# Altium PCB PCB1.PcbDoc (part 2 of 6)
Units mm, origin at the board's own origin, x right, y up, seen from the top; angles counter-clockwise.
Board outline 298.25 x 690.26 mm, 2 copper layers (Top Layer, Bottom Layer); 51 components, 44 nets, 196 pads, 2408 vias.
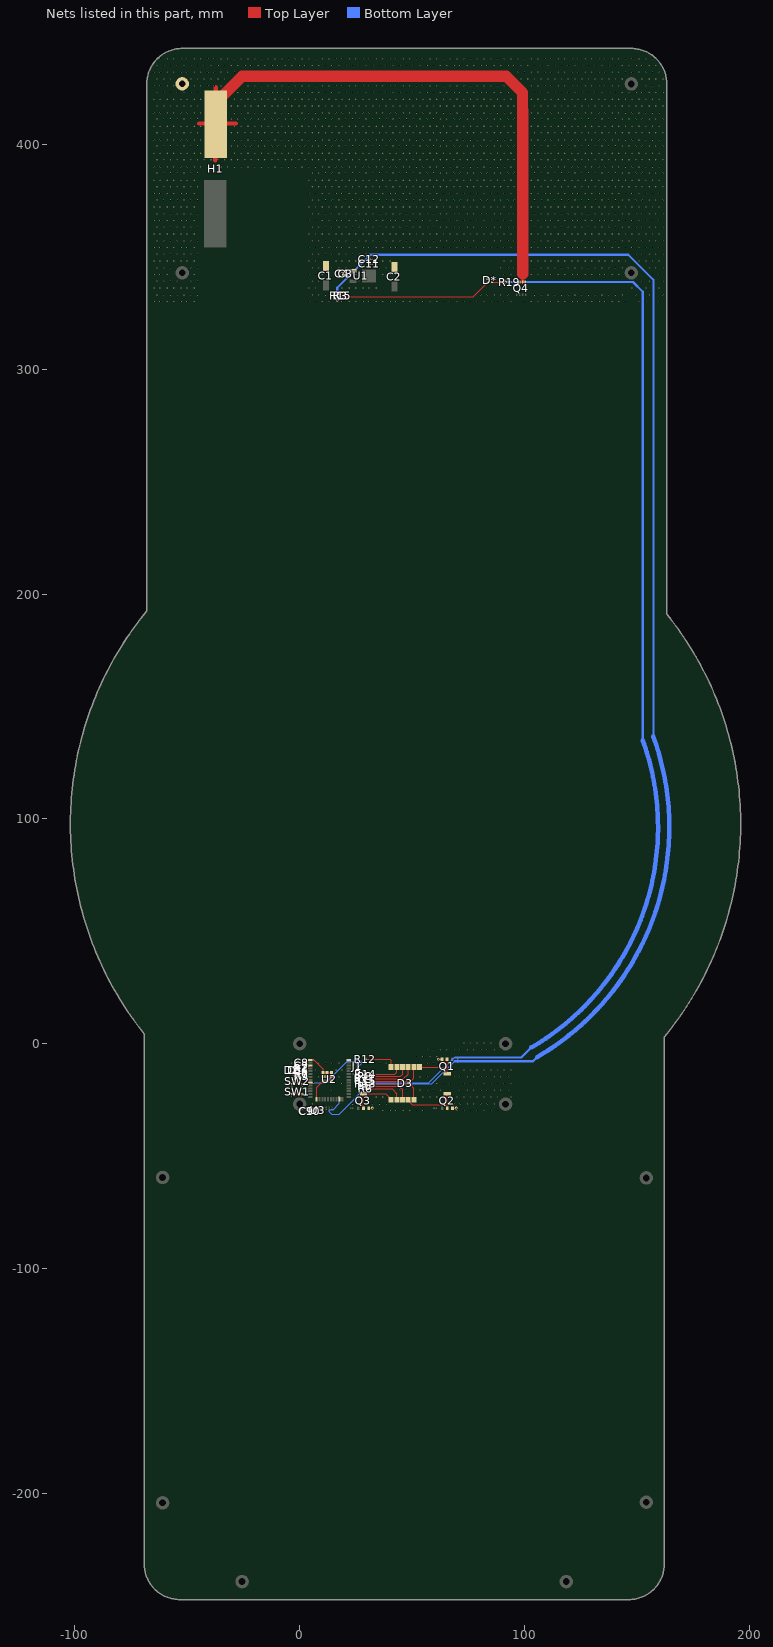
[diagram p2: the nets of this part, all layers, seen from the top]

## Via types
v1: diameter 0.6, hole 0.3, Top Layer to Bottom Layer, tented both sides, 2403 vias
v2: diameter 1.27, hole 0.711, Top Layer to Bottom Layer, tented both sides, 5 vias

## Nets (pads, with @x,y where several pads share a name; then routed paths per layer and width w, separated by ;. In a path a pad name is that pad's centre, name@x,y a point inside that pad or via, vN(x,y) a via of type N, cw(c..) or ccw(c..) an arc to the next point about the centre after c; other vN are vias at no path point)
GND: C1.2 C2.2 C3.1 C4.1 C5.2 C6.2 C7.2 C8.2 C9.2 C10.2 C11.1 C12.1 D1.2 D2.2 D*.1 H1.1 J1.4 pad.@-52.241,427.135 Q1.3 Q2.3 Q3.3 Q4.1 Q4.2 Q4.3 R3.1 SW1.1 SW2.1 U1.1 U2.1 U2.15 U2.38 U2.39 U3.4 U3.5 U3.6 U3.7 | length 439.1
  Top Layer w0.25: D2.2@-3.267,-10.783 v1(-3.267,-9.767) ; v1(-3.238,-23.382) SW1.1@-3.238,-22.366 ; v1(-3.238,-18.892) SW2.1@-3.238,-17.876 ; D1.2@-1.632,-10.783 v1(-1.632,-9.767) ; v1(-0.671,-8.539) C8.2@0.345,-8.539 ; v1(-0.646,-12.246) C6.2@0.37,-12.246 ; v1(-0.646,-9.706) C7.2@0.37,-9.706 ; v1(1.262,-23.382) SW1.1@1.262,-22.366 ; v1(1.262,-18.892) SW2.1@1.262,-17.876 ; C9.2@3.217,-29.606 v1(3.217,-28.59) ; C10.2@4.398,-29.606 v1(4.398,-28.59) ; U2.1@5.163,-7.166 v1(6.179,-7.166) 10.418,-11.405 U2.39@10.418,-12.831 ; U3.7@6.028,-29.856 U3.6@6.028,-29.206 U3.5@6.028,-28.556 U3.4@10.128,-28.556 ; U2.15@7.538,-24.676 7.538,-19.381 U2.39@10.418,-16.501 U2.39@12.253,-16.501 U2.39@14.088,-16.501 U2.39@14.088,-14.666 U2.39@12.253,-14.666 U2.39@10.418,-14.666 U2.39@10.418,-12.831 ; U2.39@14.088,-12.831 U2.39@12.253,-12.831 U2.39@10.418,-12.831 ; R3.1@18.244,333.321 v1(18.244,334.277) ; C4.1@19.006,343.091 C4.1@19.006,343.151 ; v1(19.006,344.107) C4.1@19.006,343.151 ; C5.2@19.768,333.321 v1(19.768,334.277) ; C3.1@20.53,343.091 C3.1@20.53,343.151 ; v1(20.53,344.107) C3.1@20.53,343.151 ; U1.1@23.723,343.93 23.023,343.93 22.244,343.151 C3.1@20.53,343.151 ; J1.4@25.715,-11.294 v1(26.731,-11.294) ; C11.1@31.579,347.106 v1(32.595,347.106) ; C12.1@31.579,349.138 v1(32.595,349.138) ; v2(61.678,-6.921) Q1.3@63.315,-6.921 ; C4.1@19.006,343.151 C3.1@20.53,343.151
  Top Layer w0.3: C1.2@11.64,346.047 C1.2@12.84,344.58 ; U1.1@22.373,344.58 U1.1@23.723,343.93 ; Q3.3@30.309,-28.688 Q3.3@30.704,-28.688 30.729,-28.663 v2(32.341,-28.663) ; Q2.3@67.672,-28.663 v2(69.679,-28.663)
  Top Layer w0.8: Q4.3@97.952,338.932 Q4.2@99.222,338.932 ; 99.222,415.378 Q4.2@99.222,338.932 ; Q4.1@100.492,338.932 Q4.2@99.222,338.932
  Top Layer w1.8: H1.1@-37.319,409.17 -37.319,418.73 -37.319,419.17 -33.219,423.27 H1.1@-32.779,423.27
  Top Layer w2: -44.621,409.487 -28.386,409.487 ; -37.636,393.231 H1.1@-37.636,409.466 ; H1.1@-37.319,409.29 -37.319,425.525
  Top Layer w5: H1.1@-37.319,418.73 -32.779,423.27 -25.568,430.48 91.993,430.48 99.222,423.251 99.222,415.378 ; 99.296,342.626 99.296,415.378
  other v1: 37.039,-29.692 40.039,-29.692 43.039,-29.692 46.039,-29.692 49.039,-29.692 52.039,-29.692 55.039,-29.692 70.039,-29.692 73.039,-29.692 76.039,-29.692 79.039,-29.692 82.039,-29.692 85.039,-29.692 88.039,-29.692 5.539,-26.692 23.539,-26.692 26.539,-26.692 29.539,-26.692 32.539,-26.692 35.539,-26.692 38.539,-26.692 68.539,-26.692 71.539,-26.692 74.539,-26.692 77.539,-26.692 80.539,-26.692 83.539,-26.692 86.539,-26.692 31.039,-23.692 34.039,-23.692 37.039,-23.692 55.039,-23.692 58.039,-23.692 61.039,-23.692 70.039,-23.692 73.039,-23.692 76.039,-23.692 79.039,-23.692 82.039,-23.692 85.039,-23.692 88.039,-23.692 94.039,-23.692 14.539,-20.692 44.539,-20.692 47.539,-20.692 53.539,-20.692 56.539,-20.692 59.539,-20.692 62.539,-20.692 71.539,-20.692 74.539,-20.692 77.539,-20.692 80.539,-20.692 83.539,-20.692 86.539,-20.692 89.539,-20.692 92.539,-20.692 -1.961,-17.692 19.039,-17.692 61.039,-17.692 64.039,-17.692 67.039,-17.692 73.039,-17.692 76.039,-17.692 79.039,-17.692 82.039,-17.692 85.039,-17.692 88.039,-17.692 91.039,-17.692 94.039,-17.692 8.539,-14.692 17.539,-14.692 53.539,-14.692 56.539,-14.692 68.539,-14.692 71.539,-14.692 74.539,-14.692 77.539,-14.692 80.539,-14.692 83.539,-14.692 86.539,-14.692 89.539,-14.692 92.539,-14.692 7.039,-11.692 16.039,-11.692 19.039,-11.692 67.039,-11.692 73.039,-11.692 76.039,-11.692 79.039,-11.692 82.039,-11.692 85.039,-11.692 88.039,-11.692 91.039,-11.692 94.039,-11.692 -3.461,-8.692 8.539,-8.692 11.539,-8.692 14.539,-8.692 17.539,-8.692 32.539,-8.692 35.539,-8.692 38.539,-8.692 56.539,-8.692 59.539,-8.692 62.539,-8.692 52.039,-5.692 55.039,-5.692 58.039,-5.692 61.039,-5.692 56.539,-2.692 59.539,-2.692 62.539,-2.692 65.539,-2.692 68.539,-2.692 71.539,-2.692 74.539,-2.692 77.539,-2.692 80.539,-2.692 83.539,-2.692 86.539,-2.692 73.039,0.308 76.039,0.308 79.039,0.308 82.039,0.308 85.039,0.308 -64.961,330.308 -61.961,330.308 -58.961,330.308 -55.961,330.308 -52.961,330.308 -49.961,330.308 -46.961,330.308 4.039,330.308 7.039,330.308 10.039,330.308 13.039,330.308 19.039,330.308 22.039,330.308 25.039,330.308 28.039,330.308 31.039,330.308 34.039,330.308 37.039,330.308 40.039,330.308 43.039,330.308 46.039,330.308 49.039,330.308 52.039,330.308 55.039,330.308 58.039,330.308 61.039,330.308 64.039,330.308 67.039,330.308 70.039,330.308 73.039,330.308 76.039,330.308 79.039,330.308 82.039,330.308 85.039,330.308 88.039,330.308 91.039,330.308 94.039,330.308 100.039,330.308 103.039,330.308 106.039,330.308 109.039,330.308 112.039,330.308 115.039,330.308 118.039,330.308 121.039,330.308 124.039,330.308 127.039,330.308 130.039,330.308 133.039,330.308 136.039,330.308 139.039,330.308 142.039,330.308 145.039,330.308 151.039,330.308 154.039,330.308 160.039,330.308 -63.461,333.308 -60.461,333.308 -57.461,333.308 -54.461,333.308 -51.461,333.308 -48.461,333.308 -45.461,333.308 5.539,333.308 8.539,333.308 11.539,333.308 80.539,333.308 83.539,333.308 86.539,333.308 89.539,333.308 92.539,333.308 104.539,333.308 107.539,333.308 110.539,333.308 113.539,333.308 116.539,333.308 119.539,333.308 122.539,333.308 125.539,333.308 128.539,333.308 131.539,333.308 134.539,333.308 137.539,333.308 140.539,333.308 143.539,333.308 149.539,333.308 155.539,333.308 161.539,333.308 -64.961,336.308 -61.961,336.308 -58.961,336.308 -55.961,336.308 -52.961,336.308 -49.961,336.308 -46.961,336.308 4.039,336.308 7.039,336.308 19.039,336.308 22.039,336.308 25.039,336.308 28.039,336.308 31.039,336.308 34.039,336.308 148.039,336.308 154.039,336.308 160.039,336.308 -63.461,339.308 -60.461,339.308 -57.461,339.308 -54.461,339.308 -48.461,339.308 -45.461,339.308 5.539,339.308 8.539,339.308 26.539,339.308 152.539,339.308 155.539,339.308 161.539,339.308 -64.961,342.308 -61.961,342.308 -58.961,342.308 -46.961,342.308 4.039,342.308 7.039,342.308 10.039,342.308 13.039,342.308 16.039,342.308 25.039,342.308 37.039,342.308 40.039,342.308 43.039,342.308 91.039,342.308 94.039,342.308 103.039,342.308 106.039,342.308 109.039,342.308 112.039,342.308 115.039,342.308 118.039,342.308 121.039,342.308 124.039,342.308 127.039,342.308 130.039,342.308 133.039,342.308 136.039,342.308 139.039,342.308 142.039,342.308 157.039,342.308 160.039,342.308 -63.461,345.308 -60.461,345.308 -57.461,345.308 -48.461,345.308 -45.461,345.308 5.539,345.308 8.539,345.308 14.539,345.308 17.539,345.308 20.539,345.308 23.539,345.308 35.539,345.308 38.539,345.308 89.539,345.308 92.539,345.308 95.539,345.308 104.539,345.308 107.539,345.308 110.539,345.308 113.539,345.308 116.539,345.308 119.539,345.308 122.539,345.308 125.539,345.308 128.539,345.308 131.539,345.308 134.539,345.308 137.539,345.308 140.539,345.308 143.539,345.308 155.539,345.308 158.539,345.308 161.539,345.308 -64.961,348.308 -61.961,348.308 -58.961,348.308 -55.961,348.308 -52.961,348.308 -49.961,348.308 -46.961,348.308 4.039,348.308 7.039,348.308 16.039,348.308 19.039,348.308 22.039,348.308 25.039,348.308 34.039,348.308 37.039,348.308 40.039,348.308 91.039,348.308 94.039,348.308 103.039,348.308 106.039,348.308 109.039,348.308 112.039,348.308 115.039,348.308 118.039,348.308 121.039,348.308 124.039,348.308 127.039,348.308 130.039,348.308 133.039,348.308 136.039,348.308 139.039,348.308 142.039,348.308 145.039,348.308 151.039,348.308 154.039,348.308 157.039,348.308 160.039,348.308 -63.461,351.308 -60.461,351.308 -57.461,351.308 -54.461,351.308 -51.461,351.308 -48.461,351.308 -45.461,351.308 5.539,351.308 8.539,351.308 11.539,351.308 14.539,351.308 17.539,351.308 20.539,351.308 23.539,351.308 26.539,351.308 29.539,351.308 149.539,351.308 152.539,351.308 155.539,351.308 158.539,351.308 161.539,351.308 -64.961,354.308 -61.961,354.308 -58.961,354.308 -55.961,354.308 -52.961,354.308 -49.961,354.308 -46.961,354.308 4.039,354.308 7.039,354.308 10.039,354.308 13.039,354.308 16.039,354.308 19.039,354.308 22.039,354.308 25.039,354.308 28.039,354.308 31.039,354.308 34.039,354.308 37.039,354.308 40.039,354.308 43.039,354.308 46.039,354.308 49.039,354.308 52.039,354.308 55.039,354.308 58.039,354.308 61.039,354.308 64.039,354.308 67.039,354.308 70.039,354.308 73.039,354.308 76.039,354.308 79.039,354.308 82.039,354.308 85.039,354.308 88.039,354.308 91.039,354.308 94.039,354.308 103.039,354.308 106.039,354.308 109.039,354.308 112.039,354.308 115.039,354.308 118.039,354.308 121.039,354.308 124.039,354.308 127.039,354.308 130.039,354.308 133.039,354.308 136.039,354.308 139.039,354.308 142.039,354.308 145.039,354.308 148.039,354.308 151.039,354.308 154.039,354.308 157.039,354.308 160.039,354.308 -63.461,357.308 -60.461,357.308 -57.461,357.308 -54.461,357.308 -51.461,357.308 -48.461,357.308 -45.461,357.308 5.539,357.308 8.539,357.308 11.539,357.308 14.539,357.308 17.539,357.308 20.539,357.308 23.539,357.308 26.539,357.308 29.539,357.308 32.539,357.308 35.539,357.308 38.539,357.308 41.539,357.308 44.539,357.308 47.539,357.308 50.539,357.308 53.539,357.308 56.539,357.308 59.539,357.308 62.539,357.308 65.539,357.308 68.539,357.308 71.539,357.308 74.539,357.308 77.539,357.308 80.539,357.308 83.539,357.308 86.539,357.308 89.539,357.308 92.539,357.308 95.539,357.308 104.539,357.308 107.539,357.308 110.539,357.308 113.539,357.308 116.539,357.308 119.539,357.308 122.539,357.308 125.539,357.308 128.539,357.308 131.539,357.308 134.539,357.308 137.539,357.308 140.539,357.308 143.539,357.308 146.539,357.308 149.539,357.308 152.539,357.308 155.539,357.308 158.539,357.308 161.539,357.308 -64.961,360.308 -61.961,360.308 -58.961,360.308 -55.961,360.308 -52.961,360.308 -49.961,360.308 -46.961,360.308 4.039,360.308 7.039,360.308 10.039,360.308 13.039,360.308 16.039,360.308 19.039,360.308 22.039,360.308 25.039,360.308 28.039,360.308 31.039,360.308 34.039,360.308 37.039,360.308 40.039,360.308 43.039,360.308 46.039,360.308 49.039,360.308 52.039,360.308 55.039,360.308 58.039,360.308 61.039,360.308 64.039,360.308 67.039,360.308 70.039,360.308 73.039,360.308 76.039,360.308 79.039,360.308 82.039,360.308 85.039,360.308 88.039,360.308 91.039,360.308 94.039,360.308 103.039,360.308 106.039,360.308 109.039,360.308 112.039,360.308 115.039,360.308 118.039,360.308 121.039,360.308 124.039,360.308 127.039,360.308 130.039,360.308 133.039,360.308 136.039,360.308 139.039,360.308 142.039,360.308 145.039,360.308 148.039,360.308 151.039,360.308 154.039,360.308 157.039,360.308 160.039,360.308 -63.461,363.308 -60.461,363.308 -57.461,363.308 -54.461,363.308 -51.461,363.308 -48.461,363.308 -45.461,363.308 5.539,363.308 8.539,363.308 11.539,363.308 14.539,363.308 17.539,363.308 20.539,363.308 23.539,363.308 26.539,363.308 29.539,363.308 32.539,363.308 35.539,363.308 38.539,363.308 41.539,363.308 44.539,363.308 47.539,363.308 50.539,363.308 53.539,363.308 56.539,363.308 59.539,363.308 62.539,363.308 65.539,363.308 68.539,363.308 71.539,363.308 74.539,363.308 77.539,363.308 80.539,363.308 83.539,363.308 86.539,363.308 89.539,363.308 92.539,363.308 95.539,363.308 104.539,363.308 107.539,363.308 110.539,363.308 113.539,363.308 116.539,363.308 119.539,363.308 122.539,363.308 125.539,363.308 128.539,363.308 131.539,363.308 134.539,363.308 137.539,363.308 140.539,363.308 143.539,363.308 146.539,363.308 149.539,363.308 152.539,363.308 155.539,363.308 158.539,363.308 161.539,363.308 -64.961,366.308 -61.961,366.308 -58.961,366.308 -55.961,366.308 -52.961,366.308 -49.961,366.308 -46.961,366.308 4.039,366.308 7.039,366.308 10.039,366.308 13.039,366.308 16.039,366.308 19.039,366.308 22.039,366.308 25.039,366.308 28.039,366.308 31.039,366.308 34.039,366.308 37.039,366.308 40.039,366.308 43.039,366.308 46.039,366.308 49.039,366.308 52.039,366.308 55.039,366.308 58.039,366.308 61.039,366.308 64.039,366.308 67.039,366.308 70.039,366.308 73.039,366.308 76.039,366.308 79.039,366.308 82.039,366.308 85.039,366.308 88.039,366.308 91.039,366.308 94.039,366.308 103.039,366.308 106.039,366.308 109.039,366.308 112.039,366.308 115.039,366.308 118.039,366.308 121.039,366.308 124.039,366.308 127.039,366.308 130.039,366.308 133.039,366.308 136.039,366.308 139.039,366.308 142.039,366.308 145.039,366.308 148.039,366.308 151.039,366.308 154.039,366.308 157.039,366.308 160.039,366.308 -63.461,369.308 -60.461,369.308 -57.461,369.308 -54.461,369.308 -51.461,369.308 -48.461,369.308 -45.461,369.308 5.539,369.308 8.539,369.308 11.539,369.308 14.539,369.308 17.539,369.308 20.539,369.308 23.539,369.308 26.539,369.308 29.539,369.308 32.539,369.308 35.539,369.308 38.539,369.308 41.539,369.308 44.539,369.308 47.539,369.308 50.539,369.308 53.539,369.308 56.539,369.308 59.539,369.308 62.539,369.308 65.539,369.308 68.539,369.308 71.539,369.308 74.539,369.308 77.539,369.308 80.539,369.308 83.539,369.308 86.539,369.308 89.539,369.308 92.539,369.308 95.539,369.308 104.539,369.308 107.539,369.308 110.539,369.308 113.539,369.308 116.539,369.308 119.539,369.308 122.539,369.308 125.539,369.308 128.539,369.308 131.539,369.308 134.539,369.308 137.539,369.308 140.539,369.308 143.539,369.308 146.539,369.308 149.539,369.308 152.539,369.308 155.539,369.308 158.539,369.308 161.539,369.308 -64.961,372.308 -61.961,372.308 -58.961,372.308 -55.961,372.308 -52.961,372.308 -49.961,372.308 -46.961,372.308 4.039,372.308 7.039,372.308 10.039,372.308 13.039,372.308 16.039,372.308 19.039,372.308 22.039,372.308 25.039,372.308 28.039,372.308 31.039,372.308 34.039,372.308 37.039,372.308 40.039,372.308 43.039,372.308 46.039,372.308 49.039,372.308 52.039,372.308 55.039,372.308 58.039,372.308 61.039,372.308 64.039,372.308 67.039,372.308 70.039,372.308 73.039,372.308 76.039,372.308 79.039,372.308 82.039,372.308 85.039,372.308 88.039,372.308 91.039,372.308 94.039,372.308 103.039,372.308 106.039,372.308 109.039,372.308 112.039,372.308 115.039,372.308 118.039,372.308 121.039,372.308 124.039,372.308 127.039,372.308 130.039,372.308 133.039,372.308 136.039,372.308 139.039,372.308 142.039,372.308 145.039,372.308 148.039,372.308 151.039,372.308 154.039,372.308 157.039,372.308 160.039,372.308 -63.461,375.308 -60.461,375.308 -57.461,375.308 -54.461,375.308 -51.461,375.308 -48.461,375.308 -45.461,375.308 5.539,375.308 8.539,375.308 11.539,375.308 14.539,375.308 17.539,375.308 20.539,375.308 23.539,375.308 26.539,375.308 29.539,375.308 32.539,375.308 35.539,375.308 38.539,375.308 41.539,375.308 44.539,375.308 47.539,375.308 50.539,375.308 53.539,375.308 56.539,375.308 59.539,375.308 62.539,375.308 65.539,375.308 68.539,375.308 71.539,375.308 74.539,375.308 77.539,375.308 80.539,375.308 83.539,375.308 86.539,375.308 89.539,375.308 92.539,375.308 95.539,375.308 104.539,375.308 107.539,375.308 110.539,375.308 113.539,375.308 116.539,375.308 119.539,375.308 122.539,375.308 125.539,375.308 128.539,375.308 131.539,375.308 134.539,375.308 137.539,375.308 140.539,375.308 143.539,375.308 146.539,375.308 149.539,375.308 152.539,375.308 155.539,375.308 158.539,375.308 161.539,375.308 -64.961,378.308 -61.961,378.308 -58.961,378.308 -55.961,378.308 -52.961,378.308 -49.961,378.308 -46.961,378.308 4.039,378.308 7.039,378.308 10.039,378.308 13.039,378.308 16.039,378.308 19.039,378.308 22.039,378.308 25.039,378.308 28.039,378.308 31.039,378.308 34.039,378.308 37.039,378.308 40.039,378.308 43.039,378.308 46.039,378.308 49.039,378.308 52.039,378.308 55.039,378.308 58.039,378.308 61.039,378.308 64.039,378.308 67.039,378.308 70.039,378.308 73.039,378.308 76.039,378.308 79.039,378.308 82.039,378.308 85.039,378.308 88.039,378.308 91.039,378.308 94.039,378.308 103.039,378.308 106.039,378.308 109.039,378.308 112.039,378.308 115.039,378.308 118.039,378.308 121.039,378.308 124.039,378.308 127.039,378.308 130.039,378.308 133.039,378.308 136.039,378.308 139.039,378.308 142.039,378.308 145.039,378.308 148.039,378.308 151.039,378.308 154.039,378.308 157.039,378.308 160.039,378.308 -63.461,381.308 -60.461,381.308 -57.461,381.308 -54.461,381.308 -51.461,381.308 -48.461,381.308 -45.461,381.308 5.539,381.308 8.539,381.308 11.539,381.308 14.539,381.308 17.539,381.308 20.539,381.308 23.539,381.308 26.539,381.308 29.539,381.308 32.539,381.308 35.539,381.308 38.539,381.308 41.539,381.308 44.539,381.308 47.539,381.308 50.539,381.308 53.539,381.308 56.539,381.308 59.539,381.308 62.539,381.308 65.539,381.308 68.539,381.308 71.539,381.308 74.539,381.308 77.539,381.308 80.539,381.308 83.539,381.308 86.539,381.308 89.539,381.308 92.539,381.308 95.539,381.308 104.539,381.308 107.539,381.308 110.539,381.308 113.539,381.308 116.539,381.308 119.539,381.308 122.539,381.308 125.539,381.308 128.539,381.308 131.539,381.308 134.539,381.308 137.539,381.308 140.539,381.308 143.539,381.308 146.539,381.308 149.539,381.308 152.539,381.308 155.539,381.308 158.539,381.308 161.539,381.308 -64.961,384.308 -61.961,384.308 -58.961,384.308 -55.961,384.308 -52.961,384.308 -49.961,384.308 -46.961,384.308 4.039,384.308 7.039,384.308 10.039,384.308 13.039,384.308 16.039,384.308 19.039,384.308 22.039,384.308 25.039,384.308 28.039,384.308 31.039,384.308 34.039,384.308 37.039,384.308 40.039,384.308 43.039,384.308 46.039,384.308 49.039,384.308 52.039,384.308 55.039,384.308 58.039,384.308 61.039,384.308 64.039,384.308 67.039,384.308 70.039,384.308 73.039,384.308 76.039,384.308 79.039,384.308 82.039,384.308 85.039,384.308 88.039,384.308 91.039,384.308 94.039,384.308 103.039,384.308 106.039,384.308 109.039,384.308 112.039,384.308 115.039,384.308 118.039,384.308 121.039,384.308 124.039,384.308 127.039,384.308 130.039,384.308 133.039,384.308 136.039,384.308 139.039,384.308 142.039,384.308 145.039,384.308 148.039,384.308 151.039,384.308 154.039,384.308 157.039,384.308 160.039,384.308 -63.461,387.308 -60.461,387.308 -57.461,387.308 -54.461,387.308 -51.461,387.308 -48.461,387.308 -45.461,387.308 5.539,387.308 8.539,387.308 11.539,387.308 14.539,387.308 17.539,387.308 20.539,387.308 23.539,387.308 26.539,387.308 29.539,387.308 32.539,387.308 35.539,387.308 38.539,387.308 41.539,387.308 44.539,387.308 47.539,387.308 50.539,387.308 53.539,387.308 56.539,387.308 59.539,387.308 62.539,387.308 65.539,387.308 68.539,387.308 71.539,387.308 74.539,387.308 77.539,387.308 80.539,387.308 83.539,387.308 86.539,387.308 89.539,387.308 92.539,387.308 95.539,387.308 104.539,387.308 107.539,387.308 110.539,387.308 113.539,387.308 116.539,387.308 119.539,387.308 122.539,387.308 125.539,387.308 128.539,387.308 131.539,387.308 134.539,387.308 137.539,387.308 140.539,387.308 143.539,387.308 146.539,387.308 149.539,387.308 152.539,387.308 155.539,387.308 158.539,387.308 161.539,387.308 -64.961,390.308 -61.961,390.308 -58.961,390.308 -55.961,390.308 -52.961,390.308 -49.961,390.308 -46.961,390.308 -43.961,390.308 -40.961,390.308 -37.961,390.308 -34.961,390.308 -31.961,390.308 -28.961,390.308 -25.961,390.308 -22.961,390.308 -19.961,390.308 -16.961,390.308 -13.961,390.308 -10.961,390.308 -7.961,390.308 -4.961,390.308 -1.961,390.308 1.039,390.308 4.039,390.308 7.039,390.308 10.039,390.308 13.039,390.308 16.039,390.308 19.039,390.308 22.039,390.308 25.039,390.308 28.039,390.308 31.039,390.308 34.039,390.308 37.039,390.308 40.039,390.308 43.039,390.308 46.039,390.308 49.039,390.308 52.039,390.308 55.039,390.308 58.039,390.308 61.039,390.308 64.039,390.308 67.039,390.308 70.039,390.308 73.039,390.308 76.039,390.308 79.039,390.308 82.039,390.308 85.039,390.308 88.039,390.308 91.039,390.308 94.039,390.308 103.039,390.308 106.039,390.308 109.039,390.308 112.039,390.308 115.039,390.308 118.039,390.308 121.039,390.308 124.039,390.308 127.039,390.308 130.039,390.308 133.039,390.308 136.039,390.308 139.039,390.308 142.039,390.308 145.039,390.308 148.039,390.308 151.039,390.308 154.039,390.308 157.039,390.308 160.039,390.308 -63.461,393.308 -60.461,393.308 -57.461,393.308 -54.461,393.308 -51.461,393.308 -48.461,393.308 -45.461,393.308 -42.461,393.308 -39.461,393.308 -36.461,393.308 -33.461,393.308 -30.461,393.308 -27.461,393.308 -24.461,393.308 -21.461,393.308 -18.461,393.308 -15.461,393.308 -12.461,393.308 -9.461,393.308 -6.461,393.308 -3.461,393.308 -0.461,393.308 2.539,393.308 5.539,393.308 8.539,393.308 11.539,393.308 14.539,393.308 17.539,393.308 20.539,393.308 23.539,393.308 26.539,393.308 29.539,393.308 32.539,393.308 35.539,393.308 38.539,393.308 41.539,393.308 44.539,393.308 47.539,393.308 50.539,393.308 53.539,393.308 56.539,393.308 59.539,393.308 62.539,393.308 65.539,393.308 68.539,393.308 71.539,393.308 74.539,393.308 77.539,393.308 80.539,393.308 83.539,393.308 86.539,393.308 89.539,393.308 92.539,393.308 95.539,393.308 104.539,393.308 107.539,393.308 110.539,393.308 113.539,393.308 116.539,393.308 119.539,393.308 122.539,393.308 125.539,393.308 128.539,393.308 131.539,393.308 134.539,393.308 137.539,393.308 140.539,393.308 143.539,393.308 146.539,393.308 149.539,393.308 152.539,393.308 155.539,393.308 158.539,393.308 161.539,393.308 -64.961,396.308 -61.961,396.308 -58.961,396.308 -55.961,396.308 -52.961,396.308 -49.961,396.308 -46.961,396.308 -43.961,396.308 -28.961,396.308 -25.961,396.308 -22.961,396.308 -19.961,396.308 -16.961,396.308 -13.961,396.308 -10.961,396.308 -7.961,396.308 -4.961,396.308 -1.961,396.308 1.039,396.308 4.039,396.308 7.039,396.308 10.039,396.308 13.039,396.308 16.039,396.308 19.039,396.308 22.039,396.308 25.039,396.308 28.039,396.308 31.039,396.308 34.039,396.308 37.039,396.308 40.039,396.308 43.039,396.308 46.039,396.308 49.039,396.308 52.039,396.308 55.039,396.308 58.039,396.308 61.039,396.308 64.039,396.308 67.039,396.308 70.039,396.308 73.039,396.308 76.039,396.308 79.039,396.308 82.039,396.308 85.039,396.308 88.039,396.308 91.039,396.308 94.039,396.308 103.039,396.308 106.039,396.308 109.039,396.308 112.039,396.308 115.039,396.308 118.039,396.308 121.039,396.308 124.039,396.308 127.039,396.308 130.039,396.308 133.039,396.308 136.039,396.308 139.039,396.308 142.039,396.308 145.039,396.308 148.039,396.308 151.039,396.308 154.039,396.308 157.039,396.308 160.039,396.308 -63.461,399.308 -60.461,399.308 -57.461,399.308 -54.461,399.308 -51.461,399.308 -48.461,399.308 -45.461,399.308 -30.461,399.308 -27.461,399.308 -24.461,399.308 -21.461,399.308 -18.461,399.308 -15.461,399.308 -12.461,399.308 -9.461,399.308 -6.461,399.308 -3.461,399.308 -0.461,399.308 2.539,399.308 5.539,399.308 8.539,399.308 11.539,399.308 14.539,399.308 17.539,399.308 20.539,399.308 23.539,399.308 26.539,399.308 29.539,399.308 32.539,399.308 35.539,399.308 38.539,399.308 41.539,399.308 44.539,399.308 47.539,399.308 50.539,399.308 53.539,399.308 56.539,399.308 59.539,399.308 62.539,399.308 65.539,399.308 68.539,399.308 71.539,399.308 74.539,399.308 77.539,399.308 80.539,399.308 83.539,399.308 86.539,399.308 89.539,399.308 92.539,399.308 95.539,399.308 104.539,399.308 107.539,399.308 110.539,399.308 113.539,399.308 116.539,399.308 119.539,399.308 122.539,399.308 125.539,399.308 128.539,399.308 131.539,399.308 134.539,399.308 137.539,399.308 140.539,399.308 143.539,399.308 146.539,399.308 149.539,399.308 152.539,399.308 155.539,399.308 158.539,399.308 161.539,399.308 -64.961,402.308 -61.961,402.308 -58.961,402.308 -55.961,402.308 -52.961,402.308 -49.961,402.308 -46.961,402.308 -43.961,402.308 -28.961,402.308 -25.961,402.308 -22.961,402.308 -19.961,402.308 -16.961,402.308 -13.961,402.308 -10.961,402.308 -7.961,402.308 -4.961,402.308 -1.961,402.308 1.039,402.308 4.039,402.308 7.039,402.308 10.039,402.308 13.039,402.308 16.039,402.308 19.039,402.308 22.039,402.308 25.039,402.308 28.039,402.308 31.039,402.308 34.039,402.308 37.039,402.308 40.039,402.308 43.039,402.308 46.039,402.308 49.039,402.308 52.039,402.308 55.039,402.308 58.039,402.308 61.039,402.308 64.039,402.308 67.039,402.308 70.039,402.308 73.039,402.308 76.039,402.308 79.039,402.308 82.039,402.308 85.039,402.308 88.039,402.308 91.039,402.308 94.039,402.308 103.039,402.308 106.039,402.308 109.039,402.308 112.039,402.308 115.039,402.308 118.039,402.308 121.039,402.308 124.039,402.308 127.039,402.308 130.039,402.308 133.039,402.308 136.039,402.308 139.039,402.308 142.039,402.308 145.039,402.308 148.039,402.308 151.039,402.308 154.039,402.308 157.039,402.308 160.039,402.308 -63.461,405.308 -60.461,405.308 -57.461,405.308 -54.461,405.308 -51.461,405.308 -48.461,405.308 -45.461,405.308 -30.461,405.308 -27.461,405.308 -24.461,405.308 -21.461,405.308 -18.461,405.308 -15.461,405.308 -12.461,405.308 -9.461,405.308 -6.461,405.308 -3.461,405.308 -0.461,405.308 2.539,405.308 5.539,405.308 8.539,405.308 11.539,405.308 14.539,405.308 17.539,405.308 20.539,405.308 23.539,405.308 26.539,405.308 29.539,405.308 32.539,405.308 35.539,405.308 38.539,405.308 41.539,405.308 44.539,405.308 47.539,405.308 50.539,405.308 53.539,405.308 56.539,405.308 59.539,405.308 62.539,405.308 65.539,405.308 68.539,405.308 71.539,405.308 74.539,405.308 77.539,405.308 80.539,405.308 83.539,405.308 86.539,405.308 89.539,405.308 92.539,405.308 95.539,405.308 104.539,405.308 107.539,405.308 110.539,405.308 113.539,405.308 116.539,405.308 119.539,405.308 122.539,405.308 125.539,405.308 128.539,405.308 131.539,405.308 134.539,405.308 137.539,405.308 140.539,405.308 143.539,405.308 146.539,405.308 149.539,405.308 152.539,405.308 155.539,405.308 158.539,405.308 161.539,405.308 -64.961,408.308 -61.961,408.308 -58.961,408.308 -55.961,408.308 -52.961,408.308 -49.961,408.308 -46.961,408.308 -43.961,408.308 -28.961,408.308 -25.961,408.308 -22.961,408.308 -19.961,408.308 -16.961,408.308 -13.961,408.308 -10.961,408.308 -7.961,408.308 -4.961,408.308 -1.961,408.308 1.039,408.308 4.039,408.308 7.039,408.308 10.039,408.308 13.039,408.308 16.039,408.308 19.039,408.308 22.039,408.308 25.039,408.308 28.039,408.308 31.039,408.308 34.039,408.308 37.039,408.308 40.039,408.308 43.039,408.308 46.039,408.308 49.039,408.308 52.039,408.308 55.039,408.308 58.039,408.308 61.039,408.308 64.039,408.308 67.039,408.308 70.039,408.308 73.039,408.308 76.039,408.308 79.039,408.308 82.039,408.308 85.039,408.308 88.039,408.308 91.039,408.308 94.039,408.308 103.039,408.308 106.039,408.308 109.039,408.308 112.039,408.308 115.039,408.308 118.039,408.308 121.039,408.308 124.039,408.308 127.039,408.308 130.039,408.308 133.039,408.308 136.039,408.308 139.039,408.308 142.039,408.308 145.039,408.308 148.039,408.308 151.039,408.308 154.039,408.308 157.039,408.308 160.039,408.308 -63.461,411.308 -60.461,411.308 -57.461,411.308 -54.461,411.308 -51.461,411.308 -48.461,411.308 -45.461,411.308 -30.461,411.308 -27.461,411.308 -24.461,411.308 -21.461,411.308 -18.461,411.308 -15.461,411.308 -12.461,411.308 -9.461,411.308 -6.461,411.308 -3.461,411.308 -0.461,411.308 2.539,411.308 5.539,411.308 8.539,411.308 11.539,411.308 14.539,411.308 17.539,411.308 20.539,411.308 23.539,411.308 26.539,411.308 29.539,411.308 32.539,411.308 35.539,411.308 38.539,411.308 41.539,411.308 44.539,411.308 47.539,411.308 50.539,411.308 53.539,411.308 56.539,411.308 59.539,411.308 62.539,411.308 65.539,411.308 68.539,411.308 71.539,411.308 74.539,411.308 77.539,411.308 80.539,411.308 83.539,411.308 86.539,411.308 89.539,411.308 92.539,411.308 95.539,411.308 104.539,411.308 107.539,411.308 110.539,411.308 113.539,411.308 116.539,411.308 119.539,411.308 122.539,411.308 125.539,411.308 128.539,411.308 131.539,411.308 134.539,411.308 137.539,411.308 140.539,411.308 143.539,411.308 146.539,411.308 149.539,411.308 152.539,411.308 155.539,411.308 158.539,411.308 161.539,411.308 -64.961,414.308 -61.961,414.308 -58.961,414.308 -55.961,414.308 -52.961,414.308 -49.961,414.308 -46.961,414.308 -43.961,414.308 -28.961,414.308 -25.961,414.308 -22.961,414.308 -19.961,414.308 -16.961,414.308 -13.961,414.308 -10.961,414.308 -7.961,414.308 -4.961,414.308 -1.961,414.308 1.039,414.308 4.039,414.308 7.039,414.308 10.039,414.308 13.039,414.308 16.039,414.308 19.039,414.308 22.039,414.308 25.039,414.308 28.039,414.308 31.039,414.308 34.039,414.308 37.039,414.308 40.039,414.308 43.039,414.308 46.039,414.308 49.039,414.308 52.039,414.308 55.039,414.308 58.039,414.308 61.039,414.308 64.039,414.308 67.039,414.308 70.039,414.308 73.039,414.308 76.039,414.308 79.039,414.308 82.039,414.308 85.039,414.308 88.039,414.308 91.039,414.308 94.039,414.308 103.039,414.308 106.039,414.308 109.039,414.308 112.039,414.308 115.039,414.308 118.039,414.308 121.039,414.308 124.039,414.308 127.039,414.308 130.039,414.308 133.039,414.308 136.039,414.308 139.039,414.308 142.039,414.308 145.039,414.308 148.039,414.308 151.039,414.308 154.039,414.308 157.039,414.308 160.039,414.308 -63.461,417.308 -60.461,417.308 -57.461,417.308 -54.461,417.308 -51.461,417.308 -48.461,417.308 -45.461,417.308 -30.461,417.308 -27.461,417.308 -24.461,417.308 -21.461,417.308 -18.461,417.308 -15.461,417.308 -12.461,417.308 -9.461,417.308 -6.461,417.308 -3.461,417.308 -0.461,417.308 2.539,417.308 5.539,417.308 8.539,417.308 11.539,417.308 14.539,417.308 17.539,417.308 20.539,417.308 23.539,417.308 26.539,417.308 29.539,417.308 32.539,417.308 35.539,417.308 38.539,417.308 41.539,417.308 44.539,417.308 47.539,417.308 50.539,417.308 53.539,417.308 56.539,417.308 59.539,417.308 62.539,417.308 65.539,417.308 68.539,417.308 71.539,417.308 74.539,417.308 77.539,417.308 80.539,417.308 83.539,417.308 86.539,417.308 89.539,417.308 92.539,417.308 95.539,417.308 104.539,417.308 107.539,417.308 110.539,417.308 113.539,417.308 116.539,417.308 119.539,417.308 122.539,417.308 125.539,417.308 128.539,417.308 131.539,417.308 134.539,417.308 137.539,417.308 140.539,417.308 143.539,417.308 146.539,417.308 149.539,417.308 152.539,417.308 155.539,417.308 158.539,417.308 161.539,417.308 -64.961,420.308 -61.961,420.308 -58.961,420.308 -55.961,420.308 -52.961,420.308 -49.961,420.308 -46.961,420.308 -43.961,420.308 -28.961,420.308 -25.961,420.308 -22.961,420.308 -19.961,420.308 -16.961,420.308 -13.961,420.308 -10.961,420.308 -7.961,420.308 -4.961,420.308 -1.961,420.308 1.039,420.308 4.039,420.308 7.039,420.308 10.039,420.308 13.039,420.308 16.039,420.308 19.039,420.308 22.039,420.308 25.039,420.308 28.039,420.308 31.039,420.308 34.039,420.308 37.039,420.308 40.039,420.308 43.039,420.308 46.039,420.308 49.039,420.308 52.039,420.308 55.039,420.308 58.039,420.308 61.039,420.308 64.039,420.308 67.039,420.308 70.039,420.308 73.039,420.308 76.039,420.308 79.039,420.308 82.039,420.308 85.039,420.308 88.039,420.308 91.039,420.308 94.039,420.308 103.039,420.308 106.039,420.308 109.039,420.308 112.039,420.308 115.039,420.308 118.039,420.308 121.039,420.308 124.039,420.308 127.039,420.308 130.039,420.308 133.039,420.308 136.039,420.308 139.039,420.308 142.039,420.308 145.039,420.308 148.039,420.308 151.039,420.308 154.039,420.308 157.039,420.308 160.039,420.308 -63.461,423.308 -60.461,423.308 -57.461,423.308 -54.461,423.308 -51.461,423.308 -48.461,423.308 -45.461,423.308 -27.461,423.308 -24.461,423.308 -21.461,423.308 -18.461,423.308 -15.461,423.308 -12.461,423.308 -9.461,423.308 -6.461,423.308 -3.461,423.308 -0.461,423.308 2.539,423.308 5.539,423.308 8.539,423.308 11.539,423.308 14.539,423.308 17.539,423.308 20.539,423.308 23.539,423.308 26.539,423.308 29.539,423.308 32.539,423.308 35.539,423.308 38.539,423.308 41.539,423.308 44.539,423.308 47.539,423.308 50.539,423.308 53.539,423.308 56.539,423.308 59.539,423.308 62.539,423.308 65.539,423.308 68.539,423.308 71.539,423.308 74.539,423.308 77.539,423.308 80.539,423.308 83.539,423.308 86.539,423.308 89.539,423.308 92.539,423.308 104.539,423.308 107.539,423.308 110.539,423.308 113.539,423.308 116.539,423.308 119.539,423.308 122.539,423.308 125.539,423.308 128.539,423.308 131.539,423.308 134.539,423.308 137.539,423.308 140.539,423.308 143.539,423.308 146.539,423.308 149.539,423.308 152.539,423.308 155.539,423.308 158.539,423.308 161.539,423.308 -64.961,426.308 -61.961,426.308 -58.961,426.308 -55.961,426.308 -46.961,426.308 -43.961,426.308 -40.961,426.308 -37.961,426.308 -34.961,426.308 -22.961,426.308 -19.961,426.308 -16.961,426.308 -13.961,426.308 -10.961,426.308 -7.961,426.308 -4.961,426.308 -1.961,426.308 1.039,426.308 4.039,426.308 7.039,426.308 10.039,426.308 13.039,426.308 16.039,426.308 19.039,426.308 22.039,426.308 25.039,426.308 28.039,426.308 31.039,426.308 34.039,426.308 37.039,426.308 40.039,426.308 43.039,426.308 46.039,426.308 49.039,426.308 52.039,426.308 55.039,426.308 58.039,426.308 61.039,426.308 64.039,426.308 67.039,426.308 70.039,426.308 73.039,426.308 76.039,426.308 79.039,426.308 82.039,426.308 85.039,426.308 88.039,426.308 91.039,426.308 103.039,426.308 106.039,426.308 109.039,426.308 112.039,426.308 115.039,426.308 118.039,426.308 121.039,426.308 124.039,426.308 127.039,426.308 130.039,426.308 133.039,426.308 136.039,426.308 139.039,426.308 142.039,426.308 154.039,426.308 157.039,426.308 160.039,426.308 -63.461,429.308 -60.461,429.308 -57.461,429.308 -48.461,429.308 -45.461,429.308 -42.461,429.308 -39.461,429.308 -36.461,429.308 -33.461,429.308 98.539,429.308 101.539,429.308 104.539,429.308 107.539,429.308 110.539,429.308 113.539,429.308 116.539,429.308 119.539,429.308 122.539,429.308 125.539,429.308 128.539,429.308 131.539,429.308 134.539,429.308 137.539,429.308 140.539,429.308 143.539,429.308 152.539,429.308 155.539,429.308 158.539,429.308 161.539,429.308 -64.961,432.308 -61.961,432.308 -58.961,432.308 -55.961,432.308 -52.961,432.308 -49.961,432.308 -46.961,432.308 -43.961,432.308 -40.961,432.308 -37.961,432.308 -34.961,432.308 -31.961,432.308 -28.961,432.308 97.039,432.308 100.039,432.308 103.039,432.308 106.039,432.308 109.039,432.308 112.039,432.308 115.039,432.308 118.039,432.308 121.039,432.308 124.039,432.308 127.039,432.308 130.039,432.308 133.039,432.308 136.039,432.308 139.039,432.308 142.039,432.308 145.039,432.308 148.039,432.308 151.039,432.308 154.039,432.308 157.039,432.308 160.039,432.308 -63.461,435.308 -60.461,435.308 -57.461,435.308 -54.461,435.308 -51.461,435.308 -48.461,435.308 -45.461,435.308 -42.461,435.308 -39.461,435.308 -36.461,435.308 -33.461,435.308 -30.461,435.308 -27.461,435.308 -24.461,435.308 -21.461,435.308 -18.461,435.308 -15.461,435.308 -12.461,435.308 -9.461,435.308 -6.461,435.308 -3.461,435.308 -0.461,435.308 2.539,435.308 5.539,435.308 8.539,435.308 11.539,435.308 14.539,435.308 17.539,435.308 20.539,435.308 23.539,435.308 26.539,435.308 29.539,435.308 32.539,435.308 35.539,435.308 38.539,435.308 41.539,435.308 44.539,435.308 47.539,435.308 50.539,435.308 53.539,435.308 56.539,435.308 59.539,435.308 62.539,435.308 65.539,435.308 68.539,435.308 71.539,435.308 74.539,435.308 77.539,435.308 80.539,435.308 83.539,435.308 86.539,435.308 89.539,435.308 92.539,435.308 95.539,435.308 98.539,435.308 101.539,435.308 104.539,435.308 107.539,435.308 110.539,435.308 113.539,435.308 116.539,435.308 119.539,435.308 122.539,435.308 125.539,435.308 128.539,435.308 131.539,435.308 134.539,435.308 137.539,435.308 140.539,435.308 143.539,435.308 146.539,435.308 149.539,435.308 152.539,435.308 155.539,435.308 158.539,435.308 -61.961,438.308 -58.961,438.308 -55.961,438.308 -52.961,438.308 -49.961,438.308 -46.961,438.308 -43.961,438.308 -40.961,438.308 -37.961,438.308 -34.961,438.308 -31.961,438.308 -28.961,438.308 -25.961,438.308 -22.961,438.308 -19.961,438.308 -16.961,438.308 -13.961,438.308 -10.961,438.308 -7.961,438.308 -4.961,438.308 -1.961,438.308 1.039,438.308 4.039,438.308 7.039,438.308 10.039,438.308 13.039,438.308 16.039,438.308 19.039,438.308 22.039,438.308 25.039,438.308 28.039,438.308 31.039,438.308 34.039,438.308 37.039,438.308 40.039,438.308 43.039,438.308 46.039,438.308 49.039,438.308 52.039,438.308 55.039,438.308 58.039,438.308 61.039,438.308 64.039,438.308 67.039,438.308 70.039,438.308 73.039,438.308 76.039,438.308 79.039,438.308 82.039,438.308 85.039,438.308 88.039,438.308 91.039,438.308 94.039,438.308 97.039,438.308 100.039,438.308 103.039,438.308 106.039,438.308 109.039,438.308 112.039,438.308 115.039,438.308 118.039,438.308 121.039,438.308 124.039,438.308 127.039,438.308 130.039,438.308 133.039,438.308 136.039,438.308 139.039,438.308 142.039,438.308 145.039,438.308 148.039,438.308 151.039,438.308 154.039,438.308 157.039,438.308
NetC5_1: C5.1 D*.2 R1.2 R3.2 U2.23 | length 710.6
  Top Layer w0.25: R1.2@16.72,332.431 16.73,332.431 R3.2@18.244,332.431 C5.1@19.768,332.431 77.155,332.431 83.215,338.491 83.215,338.541 83.488,338.814 D*.2@83.538,338.814 ; U2.23@17.698,-24.342 v1(17.698,-23.326)
  Top Layer w0.4: v2(16.73,330.814) 16.73,332.431 R1.2@16.73,332.451
  Bottom Layer w0.25: 17.211,-31.4 17.213,-31.402 17.531,-31.402 31.065,-17.868 58.884,-17.868 68.917,-7.835 ; 17.698,-26.431 v1(17.698,-23.326)
  Bottom Layer w0.254: 17.211,-31.4 14.186,-31.4 13.146,-30.36 13.146,-29.519 13.331,-29.334 14.95,-29.334 17.698,-26.586 17.698,-26.431
  Bottom Layer w1: v2(16.73,330.814) 16.73,336.345 31.452,351.067 146.26,351.067 157.415,339.912 157.415,136.608 ; 68.917,-7.835 103.802,-7.835 105.688,-5.949
  Bottom Layer w2: 105.688,-5.949 ccw(c46.173,96.31) 157.415,136.608 ccw(c46.173,96.31) 157.354,136.776
NetC6_1: C6.1 R2.1 U2.3 | length 6.8
  Top Layer w0.25: R2.1@0.365,-10.91 0.365,-10.935 0.488,-11.058 0.513,-11.058 0.688,-11.233 0.688,-11.341 1.197,-11.85 1.197,-12.123 C6.1@1.32,-12.246 1.982,-12.246 3.162,-11.065 3.162,-10.108 3.521,-9.749 4.71,-9.749 U2.3@4.753,-9.706
NetD1_1: D1.1 R7.1 | length 2.4
  Top Layer w0.25: D1.1@-1.632,-12.592 -1.557,-12.592 -0.713,-13.436 R7.1@0.411,-13.436
NetD2_1: D2.1 R9.1 | length 5.1
  Top Layer w0.25: D2.1@-3.267,-12.592 -3.267,-13.682 -2.374,-14.575 R9.1@0.403,-14.575
NetD3_1: D3.1 Q1.2 Q1.4 | length 18.6
  Top Layer w0.25: D3.1@53.397,-10.375 65.609,-10.375 65.615,-10.381 ; Q1.4@65.615,-13.321 65.615,-10.381 ; Q1.2@65.615,-6.921 65.615,-10.381
NetD3_2: D3.2 R15.1 | length 26.6
  Top Layer w0.25: R15.1@29.786,-16.77 49.44,-16.77 50.857,-15.353 D3.2@50.857,-10.375
NetD3_3: D3.3 R11.1 | length 22.6
  Top Layer w0.25: R11.1@29.768,-15.682 46.128,-15.682 48.317,-13.493 D3.3@48.317,-10.375
NetD3_4: D3.4 R8.1 | length 19.6
  Top Layer w0.25: R8.1@29.768,-14.558 44.713,-14.558 45.777,-13.493 D3.4@45.777,-10.375
NetD3_5: D3.5 R14.1 | length 16
  Top Layer w0.25: R14.1@29.826,-13.493 42.405,-13.493 43.237,-12.661 D3.5@43.237,-10.375
NetD3_6: D3.6 R12.1 | length 14.5
  Top Layer w0.25: R12.1@29.417,-6.819 40.095,-6.819 40.697,-7.421
  Top Layer w0.3: D3.6@40.697,-10.375 40.697,-7.421
NetD3_7: D3.7 Q3.2 Q3.4 | length 20.1
  Top Layer w0.25: Q3.2@28.404,-28.688 Q3.4@28.404,-22.288 38.26,-22.288 40.697,-24.725 D3.7@40.697,-24.875
  Top Layer w0.3: D3.7@40.551,-24.729 D3.7@40.697,-24.875
NetD3_8: D3.8 R6.1 | length 17
  Top Layer w0.25: R6.1@29.786,-20.084 41.136,-20.084 43.237,-22.186 D3.8@43.237,-24.875
NetD3_9: D3.9 R5.1 | length 21
  Top Layer w0.25: R5.1@29.78,-18.964 44.206,-18.964 45.777,-20.535 D3.9@45.777,-24.875
NetD3_10: D3.10 Q2.2 Q2.4 | length 25.7
  Top Layer w0.25: D3.10@48.317,-24.875 49.151,-25.708 49.151,-26.357 50.059,-27.266 64.497,-27.266 65.246,-28.015 65.269,-28.015 Q2.2@65.742,-28.488 ; Q2.2@65.742,-28.688 Q2.2@65.742,-28.488 ; Q2.4@65.742,-22.288 Q2.2@65.742,-28.488
NetD3_11: D3.11 R13.1 | length 27
  Top Layer w0.25: R13.1@29.786,-17.868 48.978,-17.868 50.883,-19.773 D3.11@50.883,-24.85
NetD*_3: D*.3 R19.1 U2.9 | length 548.5
  Top Layer w0.25: U2.9@5.087,-17.326 v1(6.103,-17.326) ; D*.3@85.538,338.814 85.656,338.932 v2(91.476,338.932)
  Top Layer w0.4: v2(91.476,338.932) R19.1@93.113,338.932
  Bottom Layer w0.25: 30.532,-17.368 57.551,-17.368 68.735,-6.184 69.218,-6.184
  Bottom Layer w0.254: v1(6.103,-17.326) 11.571,-17.326 21.147,-7.75 24.239,-7.75 24.705,-7.284 27.011,-7.284 27.642,-7.915 27.642,-8.773 25.488,-10.927 25.488,-15.333 27.388,-17.233 30.397,-17.233 30.532,-17.368
  Bottom Layer w1: 69.218,-6.184 98.617,-6.184 103.173,-1.628 ; v2(91.476,338.932) 148.362,338.932 152.724,334.57 152.724,134.878
  Bottom Layer w2: 103.173,-1.628 ccw(c46.173,96.31) 152.724,134.878 ccw(c46.173,96.31) 152.656,135.066